# KiCad board hackboard.kicad_pcb
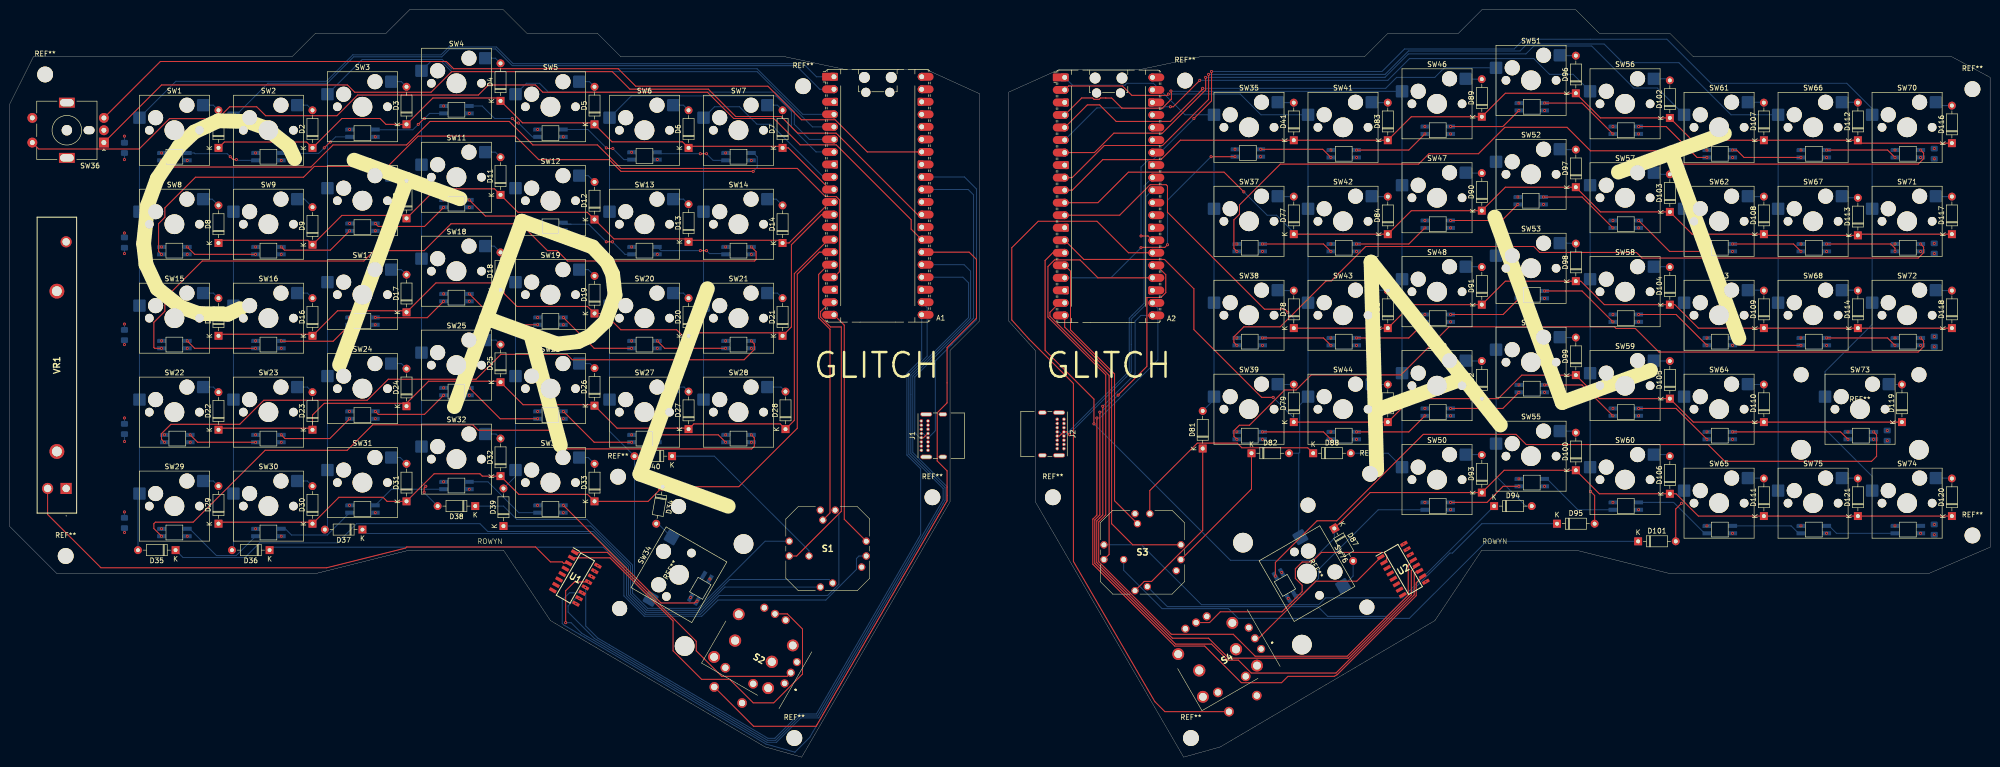
[diagram p0: board, top side]
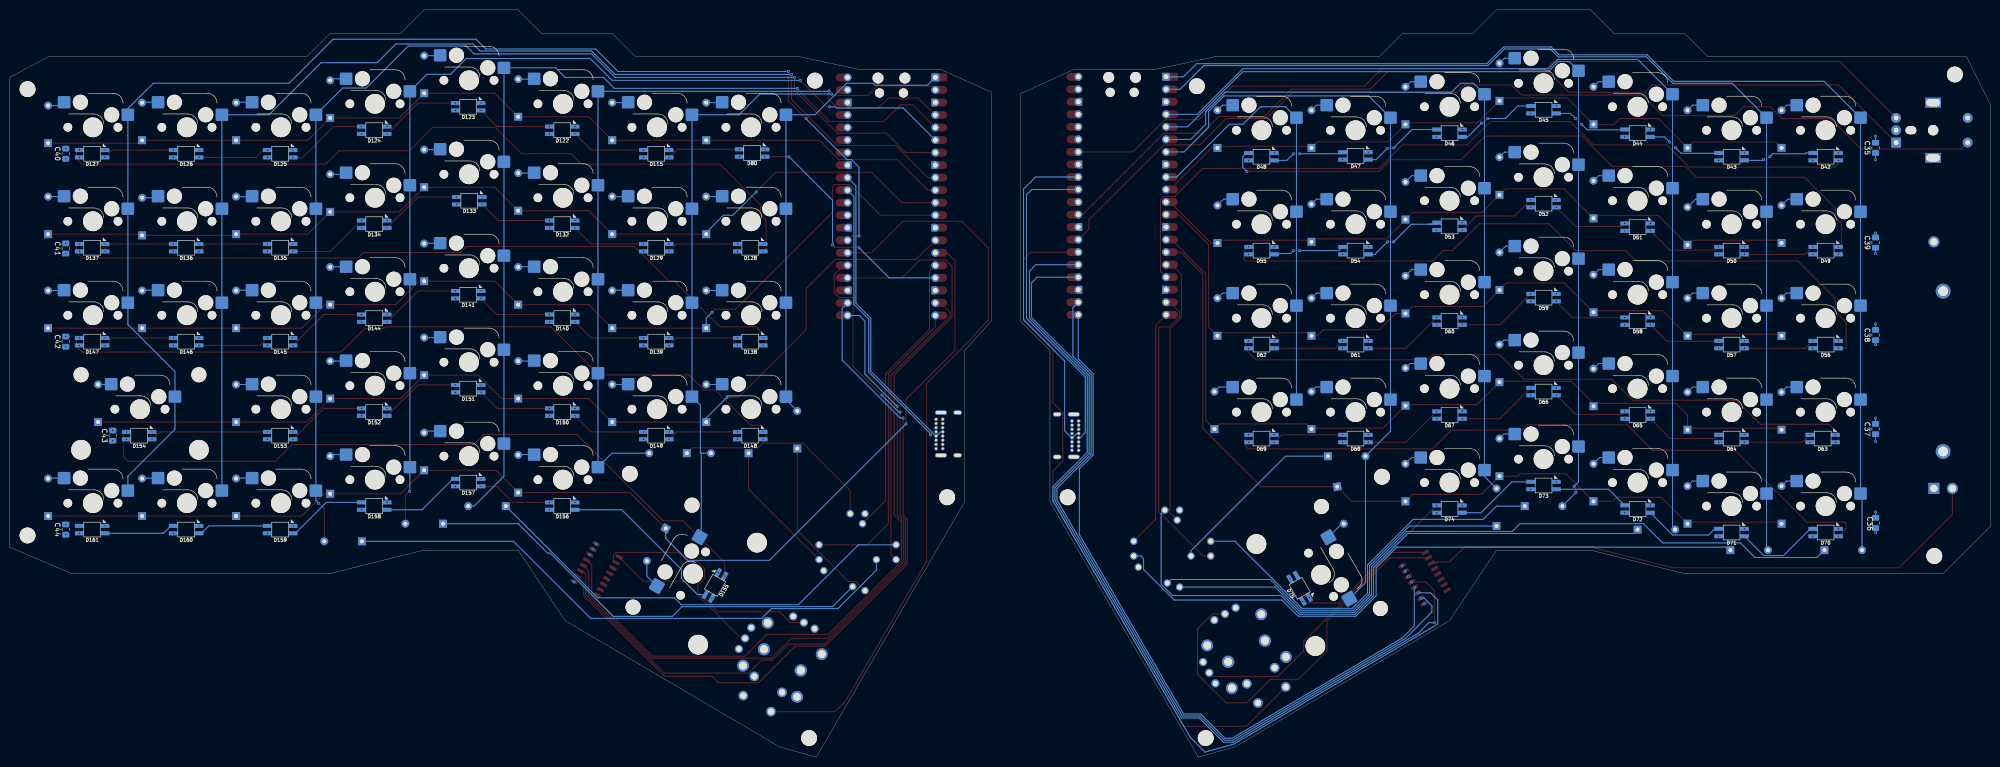
[diagram p1: board, bottom side, seen from below]

Outline 401.25 x 151.51 mm; copper layers: Top, In1.Cu, In2.Cu, Bottom. Coordinates in mm from the lower left corner of the outline.
Outline path: 0,132.46 4.76,141.98 57.15,141.98 61.91,146.74 76.2,146.74 80.96,151.51 100.01,151.51 104.78,146.74 119.06,146.74 123.82,141.98 157.16,141.98 169.38,139.39 185.74,139.39 196.45,134.51 196.45,88.4 190.5,82.45 190.5,51.79 160.44,0 153,2.08 109.54,27.68 100.01,41.97 80.96,41.97 61.91,37.21 9.53,37.21 0,46.73 0,132.46 ; 202.41,134.84 212.53,139.39 228.89,139.39 241.11,141.98 274.45,141.98 279.21,146.74 293.5,146.74 298.26,151.51 317.31,151.51 322.07,146.74 336.36,146.74 341.12,141.98 393.51,141.98 401.24,137.82 401.25,42.57 388.75,37.21 336.36,37.21 317.31,41.97 298.26,41.97 288.73,27.68 245.28,2.08 237.84,0 207.77,51.79 207.77,82.45 202.41,88.4 202.41,134.84
Stack: Top 0.035mm / dielectric 0.1mm FR4 er 4.5 / In1.Cu 0.035mm / dielectric 1.24mm FR4 er 4.5 / In2.Cu 0.035mm / dielectric 0.1mm FR4 er 4.5 / Bottom 0.035mm

## Placement (name value [footprint] x y rotation side)
A1  RaspberryPi_Pico  [RaspberryPi_Pico_Common_Unspecified]  175.87 113.82 0 top
A2  RaspberryPi_Pico  [RaspberryPi_Pico_Common_Unspecified]  222.62 113.69 0 top
C35  C  [C_0805_2012Metric_Pad1.18x1.45mm_HandSolder]  23.22 123.53 90 bottom
C36  C  [C_0805_2012Metric_Pad1.18x1.45mm_HandSolder]  23.22 47.48 90 bottom
C37  C  [C_0805_2012Metric_Pad1.18x1.45mm_HandSolder]  23.22 66.53 90 bottom
C38  C  [C_0805_2012Metric_Pad1.18x1.45mm_HandSolder]  23.22 85.58 90 bottom
C39  C  [C_0805_2012Metric_Pad1.18x1.45mm_HandSolder]  23.22 104.32 90 bottom
C40  C  [C_0805_2012Metric_Pad1.18x1.45mm_HandSolder]  389.93 122.34 90 bottom
C41  C  [C_0805_2012Metric_Pad1.18x1.45mm_HandSolder]  389.93 103.13 90 bottom
C42  C  [C_0805_2012Metric_Pad1.18x1.45mm_HandSolder]  389.93 84.24 90 bottom
C43  C  [C_0805_2012Metric_Pad1.18x1.45mm_HandSolder]  380.41 65.19 90 bottom
C44  C  [C_0805_2012Metric_Pad1.18x1.45mm_HandSolder]  389.93 46.14 90 bottom
D1  D  [D_DO-35_SOD27_P7.62mm_Horizontal]  42.27 123.53 90 top
D2  D  [D_DO-35_SOD27_P7.62mm_Horizontal]  61.32 123.53 90 top
D3  D  [D_DO-35_SOD27_P7.62mm_Horizontal]  80.37 128.29 90 top
D4  D  [D_DO-35_SOD27_P7.62mm_Horizontal]  99.42 133.05 90 top
D5  D  [D_DO-35_SOD27_P7.62mm_Horizontal]  118.47 128.29 90 top
D6  D  [D_DO-35_SOD27_P7.62mm_Horizontal]  137.52 123.53 90 top
D7  D  [D_DO-35_SOD27_P7.62mm_Horizontal]  156.57 123.53 90 top
D8  D  [D_DO-35_SOD27_P7.62mm_Horizontal]  42.27 104.24 90 top
D9  D  [D_DO-35_SOD27_P7.62mm_Horizontal]  61.32 103.88 90 top
D10  D  [D_DO-35_SOD27_P7.62mm_Horizontal]  80.37 109.24 90 top
D11  D  [D_DO-35_SOD27_P7.62mm_Horizontal]  99.42 114 90 top
D12  D  [D_DO-35_SOD27_P7.62mm_Horizontal]  118.47 109 90 top
D13  D  [D_DO-35_SOD27_P7.62mm_Horizontal]  137.52 104.48 90 top
D14  D  [D_DO-35_SOD27_P7.62mm_Horizontal]  156.57 104.24 90 top
D15  D  [D_DO-35_SOD27_P7.62mm_Horizontal]  42.27 85.43 90 top
D16  D  [D_DO-35_SOD27_P7.62mm_Horizontal]  61.32 85.43 90 top
D17  D  [D_DO-35_SOD27_P7.62mm_Horizontal]  80.37 90.19 90 top
D18  D  [D_DO-35_SOD27_P7.62mm_Horizontal]  99.42 94.72 90 top
D19  D  [D_DO-35_SOD27_P7.62mm_Horizontal]  118.47 89.95 90 top
D20  D  [D_DO-35_SOD27_P7.62mm_Horizontal]  137.52 85.43 90 top
D21  D  [D_DO-35_SOD27_P7.62mm_Horizontal]  156.57 85.43 90 top
D22  D  [D_DO-35_SOD27_P7.62mm_Horizontal]  42.27 66.38 90 top
D23  D  [D_DO-35_SOD27_P7.62mm_Horizontal]  61.32 66.38 90 top
D24  D  [D_DO-35_SOD27_P7.62mm_Horizontal]  80.37 71.14 90 top
D25  D  [D_DO-35_SOD27_P7.62mm_Horizontal]  99.42 76.02 90 top
D26  D  [D_DO-35_SOD27_P7.62mm_Horizontal]  118.47 71.26 90 top
D27  D  [D_DO-35_SOD27_P7.62mm_Horizontal]  137.52 66.5 90 top
D28  D  [D_DO-35_SOD27_P7.62mm_Horizontal]  157.16 66.5 90 top
D29  D  [D_DO-35_SOD27_P7.62mm_Horizontal]  42.27 47.33 90 top
D30  D  [D_DO-35_SOD27_P7.62mm_Horizontal]  61.32 47.33 90 top
D31  D  [D_DO-35_SOD27_P7.62mm_Horizontal]  80.37 51.85 90 top
D32  D  [D_DO-35_SOD27_P7.62mm_Horizontal]  99.42 56.97 90 top
D33  D  [D_DO-35_SOD27_P7.62mm_Horizontal]  118.47 51.85 90 top
D34  D  [D_DO-35_SOD27_P7.62mm_Horizontal]  132.29 54.83 260 top
D35  D  [D_DO-35_SOD27_P7.62mm_Horizontal]  33.58 41.97 180 top
D36  D  [D_DO-35_SOD27_P7.62mm_Horizontal]  52.63 41.97 180 top
D37  D  [D_DO-35_SOD27_P7.62mm_Horizontal]  71.44 46.14 180 top
D38  D  [D_DO-35_SOD27_P7.62mm_Horizontal]  94.3 50.9 180 top
D39  D  [D_DO-35_SOD27_P7.62mm_Horizontal]  100.01 46.85 90 top
D40  D  [D_DO-35_SOD27_P7.62mm_Horizontal]  134.18 61.02 180 top
D41  D  [D_DO-35_SOD27_P7.62mm_Horizontal]  260.15 125.08 90 top
D42  SK6812MINI  [SK6812MINI-E]  33.34 121.74 180 bottom
D43  SK6812MINI  [SK6812MINI-E]  52.39 121.74 180 bottom
D44  SK6812MINI  [SK6812MINI-E]  71.44 126.5 180 bottom
D45  SK6812MINI  [SK6812MINI-E]  90.49 131.27 180 bottom
D46  SK6812MINI  [SK6812MINI-E]  109.54 126.5 180 bottom
D47  SK6812MINI  [SK6812MINI-E]  128.59 121.9 180 bottom
D48  SK6812MINI  [SK6812MINI-E]  147.64 121.74 180 bottom
D49  SK6812MINI  [SK6812MINI-E]  33.34 102.69 180 bottom
D50  SK6812MINI  [SK6812MINI-E]  52.39 102.69 180 bottom
D51  SK6812MINI  [SK6812MINI-E]  71.44 107.45 180 bottom
D52  SK6812MINI  [SK6812MINI-E]  90.49 112.22 180 bottom
D53  SK6812MINI  [SK6812MINI-E]  109.54 107.61 180 bottom
D54  SK6812MINI  [SK6812MINI-E]  128.59 102.69 180 bottom
D55  SK6812MINI  [SK6812MINI-E]  147.64 102.69 180 bottom
D56  SK6812MINI  [SK6812MINI-E]  33.34 83.64 180 bottom
D57  SK6812MINI  [SK6812MINI-E]  52.39 83.64 180 bottom
D58  SK6812MINI  [SK6812MINI-E]  71.44 88.4 180 bottom
D59  SK6812MINI  [SK6812MINI-E]  90.49 93.17 180 bottom
D60  SK6812MINI  [SK6812MINI-E]  109.54 88.4 180 bottom
D61  SK6812MINI  [SK6812MINI-E]  128.59 83.64 180 bottom
D62  SK6812MINI  [SK6812MINI-E]  147.64 83.64 180 bottom
D63  SK6812MINI  [SK6812MINI-E]  33.93 64.59 180 bottom
D64  SK6812MINI  [SK6812MINI-E]  52.39 64.59 180 bottom
D65  SK6812MINI  [SK6812MINI-E]  71.44 69.35 180 bottom
D66  SK6812MINI  [SK6812MINI-E]  90.49 74.12 180 bottom
D67  SK6812MINI  [SK6812MINI-E]  109.54 69.35 180 bottom
D68  SK6812MINI  [SK6812MINI-E]  128.59 64.59 180 bottom
D69  SK6812MINI  [SK6812MINI-E]  147.64 64.59 180 bottom
D70  SK6812MINI  [SK6812MINI-E]  33.34 45.54 180 bottom
D71  SK6812MINI  [SK6812MINI-E]  52.39 45.54 180 bottom
D72  SK6812MINI  [SK6812MINI-E]  71.44 50.3 180 bottom
D73  SK6812MINI  [SK6812MINI-E]  90.49 55.07 180 bottom
D74  SK6812MINI  [SK6812MINI-E]  109.54 50.3 180 bottom
D75  SK6812MINI  [SK6812MINI-E]  139.9 34.23 240 bottom
D77  D  [D_DO-35_SOD27_P7.62mm_Horizontal]  260.15 106.03 90 top
D78  D  [D_DO-35_SOD27_P7.62mm_Horizontal]  260.15 86.98 90 top
D79  D  [D_DO-35_SOD27_P7.62mm_Horizontal]  260.15 67.93 90 top
D80  SK6812MINI  [SK6812MINI-E]  250.85 122.49 180 bottom
D81  D  [D_DO-35_SOD27_P7.62mm_Horizontal]  241.7 62.57 90 top
D82  D  [D_DO-35_SOD27_P7.62mm_Horizontal]  251.58 61.62 0 top
D83  D  [D_DO-35_SOD27_P7.62mm_Horizontal]  279.2 125.08 90 top
D84  D  [D_DO-35_SOD27_P7.62mm_Horizontal]  279.2 106.03 90 top
D85  D  [D_DO-35_SOD27_P7.62mm_Horizontal]  279.2 86.98 90 top
D86  D  [D_DO-35_SOD27_P7.62mm_Horizontal]  279.2 67.93 90 top
D87  D  [D_DO-35_SOD27_P7.62mm_Horizontal]  268.37 46.38 300 top
D88  D  [D_DO-35_SOD27_P7.62mm_Horizontal]  264.08 61.62 0 top
D89  D  [D_DO-35_SOD27_P7.62mm_Horizontal]  298.25 129.84 90 top
D90  D  [D_DO-35_SOD27_P7.62mm_Horizontal]  298.25 110.79 90 top
D91  D  [D_DO-35_SOD27_P7.62mm_Horizontal]  298.25 91.74 90 top
D92  D  [D_DO-35_SOD27_P7.62mm_Horizontal]  298.25 72.69 90 top
D93  D  [D_DO-35_SOD27_P7.62mm_Horizontal]  298.25 53.64 90 top
D94  D  [D_DO-35_SOD27_P7.62mm_Horizontal]  300.75 50.9 0 top
D95  D  [D_DO-35_SOD27_P7.62mm_Horizontal]  313.49 47.33 0 top
D96  D  [D_DO-35_SOD27_P7.62mm_Horizontal]  317.3 134.6 90 top
D97  D  [D_DO-35_SOD27_P7.62mm_Horizontal]  317.3 115.55 90 top
D98  D  [D_DO-35_SOD27_P7.62mm_Horizontal]  317.3 96.5 90 top
D99  D  [D_DO-35_SOD27_P7.62mm_Horizontal]  317.3 77.45 90 top
D100  D  [D_DO-35_SOD27_P7.62mm_Horizontal]  317.3 58.16 90 top
D101  D  [D_DO-35_SOD27_P7.62mm_Horizontal]  329.92 43.76 0 top
D102  D  [D_DO-35_SOD27_P7.62mm_Horizontal]  336.35 129.6 90 top
D103  D  [D_DO-35_SOD27_P7.62mm_Horizontal]  336.35 110.55 90 top
D104  D  [D_DO-35_SOD27_P7.62mm_Horizontal]  336.35 91.74 90 top
D105  D  [D_DO-35_SOD27_P7.62mm_Horizontal]  336.35 72.69 90 top
D106  D  [D_DO-35_SOD27_P7.62mm_Horizontal]  336.35 53.4 90 top
D107  D  [D_DO-35_SOD27_P7.62mm_Horizontal]  355.4 125.08 90 top
D108  D  [D_DO-35_SOD27_P7.62mm_Horizontal]  355.4 106.03 90 top
D109  D  [D_DO-35_SOD27_P7.62mm_Horizontal]  355.4 86.98 90 top
D110  D  [D_DO-35_SOD27_P7.62mm_Horizontal]  355.4 67.93 90 top
D111  D  [D_DO-35_SOD27_P7.62mm_Horizontal]  355.4 48.88 90 top
D112  D  [D_DO-35_SOD27_P7.62mm_Horizontal]  374.45 125.08 90 top
D113  D  [D_DO-35_SOD27_P7.62mm_Horizontal]  374.45 105.79 90 top
D114  D  [D_DO-35_SOD27_P7.62mm_Horizontal]  374.45 86.98 90 top
D115  SK6812MINI  [SK6812MINI-E]  270.27 122.34 180 bottom
D116  D  [D_DO-35_SOD27_P7.62mm_Horizontal]  393.5 124.48 90 top
D117  D  [D_DO-35_SOD27_P7.62mm_Horizontal]  393.5 106.03 90 top
D118  D  [D_DO-35_SOD27_P7.62mm_Horizontal]  393.5 86.98 90 top
D119  D  [D_DO-35_SOD27_P7.62mm_Horizontal]  383.38 67.93 90 top
D120  D  [D_DO-35_SOD27_P7.62mm_Horizontal]  393.5 48.88 90 top
D121  D  [D_DO-35_SOD27_P7.62mm_Horizontal]  374.45 48.88 90 top
D122  SK6812MINI  [SK6812MINI-E]  289.32 127.1 180 bottom
D123  SK6812MINI  [SK6812MINI-E]  308.37 131.86 180 bottom
D124  SK6812MINI  [SK6812MINI-E]  327.42 127.1 180 bottom
D125  SK6812MINI  [SK6812MINI-E]  346.47 122.34 180 bottom
D126  SK6812MINI  [SK6812MINI-E]  365.52 122.34 180 bottom
D127  SK6812MINI  [SK6812MINI-E]  384.57 122.34 180 bottom
D128  SK6812MINI  [SK6812MINI-E]  251.22 103.29 180 bottom
D129  SK6812MINI  [SK6812MINI-E]  270.27 103.29 180 bottom
D132  SK6812MINI  [SK6812MINI-E]  289.32 108.05 180 bottom
D133  SK6812MINI  [SK6812MINI-E]  308.15 112.81 180 bottom
D134  SK6812MINI  [SK6812MINI-E]  327.42 108.05 180 bottom
D135  SK6812MINI  [SK6812MINI-E]  346.47 103.29 180 bottom
D136  SK6812MINI  [SK6812MINI-E]  365.52 103.29 180 bottom
D137  SK6812MINI  [SK6812MINI-E]  384.57 103.29 180 bottom
D138  SK6812MINI  [SK6812MINI-E]  251.22 84.24 180 bottom
D139  SK6812MINI  [SK6812MINI-E]  270.27 84.24 180 bottom
D140  SK6812MINI  [SK6812MINI-E]  289.32 89 180 bottom
D141  SK6812MINI  [SK6812MINI-E]  308.37 93.76 180 bottom
D144  SK6812MINI  [SK6812MINI-E]  327.42 89 180 bottom
D145  SK6812MINI  [SK6812MINI-E]  346.47 84.24 180 bottom
D146  SK6812MINI  [SK6812MINI-E]  365.52 84.24 180 bottom
D147  SK6812MINI  [SK6812MINI-E]  384.57 84.24 180 bottom
D148  SK6812MINI  [SK6812MINI-E]  251.22 65.19 180 bottom
D149  SK6812MINI  [SK6812MINI-E]  270.27 65.19 180 bottom
D150  SK6812MINI  [SK6812MINI-E]  289.32 69.95 180 bottom
D151  SK6812MINI  [SK6812MINI-E]  308.37 74.71 180 bottom
D152  SK6812MINI  [SK6812MINI-E]  327.42 69.95 180 bottom
D153  SK6812MINI  [SK6812MINI-E]  346.47 65.19 180 bottom
D154  SK6812MINI  [SK6812MINI-E]  375.05 65.19 180 bottom
D155  SK6812MINI  [SK6812MINI-E#2]  258.37 34.83 120 bottom
D156  SK6812MINI  [SK6812MINI-E]  289.32 50.9 180 bottom
D157  SK6812MINI  [SK6812MINI-E]  308.37 55.66 180 bottom
D158  SK6812MINI  [SK6812MINI-E]  327.42 50.9 180 bottom
D159  SK6812MINI  [SK6812MINI-E]  346.47 46.14 180 bottom
D160  SK6812MINI  [SK6812MINI-E]  365.52 46.14 180 bottom
D161  SK6812MINI  [SK6812MINI-E]  384.57 46.14 180 bottom
J1  USB_C_Receptacle_USB2.0_14P  [USB_C_Receptacle_GCT_USB4085]  184.69 62.21 90 top
J2  USB_C_Receptacle_USB2.0_14P  [USB_C_Receptacle_GCT_USB4085]  213.58 68.5 270 top
REF**  -  [MountingHole_3.2mm_M3]  211.34 52.69 0 top
REF**#2  -  [MountingHole_3.2mm_M3]  160.73 136.03 0 top
REF**#3  -  [MountingHole_3.2mm_M3]  7.14 138.41 0 top
REF**#4  -  [Stabilizer_MX_2.00u]  135.57 36.98 60 top
REF**#5  -  [MountingHole_3.2mm_M3]  158.95 3.87 0 top
REF**#6  -  [MountingHole_3.2mm_M3]  186.93 52.69 0 top
REF**#7  -  [MountingHole_3.2mm_M3]  11.31 40.78 0 top
REF**#8  -  [MountingHole_3.2mm_M3]  275.63 57.45 0 top
REF**#9  -  [Stabilizer_MX_2.00u]  262.95 37.26 300 top
REF**#10  -  [MountingHole_3.2mm_M3]  397.67 135.43 0 top
REF**#11  -  [MountingHole_3.2mm_M3]  397.67 44.95 0 top
REF**#12  -  [Stabilizer_MX_2.00u]  374.89 70.54 0 top
REF**#13  -  [MountingHole_3.2mm_M3]  238.13 137.17 0 top
REF**#14  -  [MountingHole_3.2mm_M3]  239.32 3.87 0 top
REF**#15  -  [MountingHole_3.2mm_M3]  123.23 56.85 0 top
S1  -  [RKJXT1F42001]  165.73 42.28 0 top
S2  -  [RKJXV122400R]  156.98 14.95 330 top
S3  -  [RKJXT1F42001]  229.48 41.55 0 top
S4  RKJXV122400R  [RKJXV122400R#2]  253.53 21.93 30 top
SW1  SW_Push  [Hotswap_MX_1.00u]  33.34 127.1 0 top
SW2  SW_Push  [Hotswap_MX_1.00u]  52.39 127.1 0 top
SW3  SW_Push  [Hotswap_MX_1.00u]  71.44 131.86 0 top
SW4  SW_Push  [Hotswap_MX_1.00u]  90.49 136.63 0 top
SW5  SW_Push  [Hotswap_MX_1.00u]  109.54 131.86 0 top
SW6  SW_Push  [Hotswap_MX_1.00u]  128.59 127.1 0 top
SW7  SW_Push  [Hotswap_MX_1.00u]  147.64 127.1 0 top
SW8  SW_Push  [Hotswap_MX_1.00u]  33.34 108.05 0 top
SW9  SW_Push  [Hotswap_MX_1.00u]  52.39 108.05 0 top
SW10  SW_Push  [Hotswap_MX_1.00u]  71.44 112.81 0 top
SW11  SW_Push  [Hotswap_MX_1.00u]  90.49 117.58 0 top
SW12  SW_Push  [Hotswap_MX_1.00u]  109.54 112.81 0 top
SW13  SW_Push  [Hotswap_MX_1.00u]  128.59 108.05 0 top
SW14  SW_Push  [Hotswap_MX_1.00u]  147.64 108.05 0 top
SW15  SW_Push  [Hotswap_MX_1.00u]  33.34 89 0 top
SW16  SW_Push  [Hotswap_MX_1.00u]  52.39 89 0 top
SW17  SW_Push  [Hotswap_MX_1.00u]  71.44 93.76 0 top
SW18  SW_Push  [Hotswap_MX_1.00u]  90.49 98.53 0 top
SW19  SW_Push  [Hotswap_MX_1.00u]  109.54 93.76 0 top
SW20  SW_Push  [Hotswap_MX_1.00u]  128.59 89 0 top
SW21  SW_Push  [Hotswap_MX_1.00u]  147.64 89 0 top
SW22  SW_Push  [Hotswap_MX_1.00u]  33.34 69.95 0 top
SW23  SW_Push  [Hotswap_MX_1.00u]  52.39 69.95 0 top
SW24  SW_Push  [Hotswap_MX_1.00u]  71.44 74.71 0 top
SW25  SW_Push  [Hotswap_MX_1.00u]  90.49 79.48 0 top
SW26  SW_Push  [Hotswap_MX_1.00u]  109.54 74.71 0 top
SW27  SW_Push  [Hotswap_MX_1.00u]  128.59 69.95 0 top
SW28  SW_Push  [Hotswap_MX_1.00u]  147.64 69.95 0 top
SW29  SW_Push  [Hotswap_MX_1.00u]  33.34 50.9 0 top
SW30  SW_Push  [Hotswap_MX_1.00u]  52.39 50.9 0 top
SW31  SW_Push  [Hotswap_MX_1.00u]  71.44 55.66 0 top
SW32  SW_Push  [Hotswap_MX_1.00u]  90.49 60.43 0 top
SW33  SW_Push  [Hotswap_MX_1.00u]  109.54 55.66 0 top
SW34  SPACE  [Hotswap_MX_2.00u]  135.57 36.98 60 top
SW35  SW_Push  [Hotswap_MX_1.00u]  251.08 127.69 0 top
SW36  RotaryEncoder_Switch  [RotaryEncoder_Alps_EC11E-Switch_Vertical_H20mm_MountingHoles]  19.05 124.6 180 top
SW37  SW_Push  [Hotswap_MX_1.00u]  251.08 108.64 0 top
SW38  SW_Push  [Hotswap_MX_1.00u]  251.08 89.59 0 top
SW39  SW_Push  [Hotswap_MX_1.00u]  251.08 70.54 0 top
SW41  SW_Push  [Hotswap_MX_1.00u]  270.13 127.69 0 top
SW42  SW_Push  [Hotswap_MX_1.00u]  270.13 108.64 0 top
SW43  SW_Push  [Hotswap_MX_1.00u]  270.13 89.59 0 top
SW44  SW_Push  [Hotswap_MX_1.00u]  270.13 70.54 0 top
SW46  SW_Push  [Hotswap_MX_1.00u]  289.18 132.46 0 top
SW47  SW_Push  [Hotswap_MX_1.00u]  289.18 113.41 0 top
SW48  SW_Push  [Hotswap_MX_1.00u]  289.18 94.36 0 top
SW49  SW_Push  [Hotswap_MX_1.00u]  289.18 75.31 0 top
SW50  SW_Push  [Hotswap_MX_1.00u]  289.18 56.26 0 top
SW51  SW_Push  [Hotswap_MX_1.00u]  308.23 137.22 0 top
SW52  SW_Push  [Hotswap_MX_1.00u]  308.23 118.17 0 top
SW53  SW_Push  [Hotswap_MX_1.00u]  308.23 99.12 0 top
SW54  SW_Push  [Hotswap_MX_1.00u]  308.23 80.07 0 top
SW55  SW_Push  [Hotswap_MX_1.00u]  308.23 61.02 0 top
SW56  SW_Push  [Hotswap_MX_1.00u]  327.28 132.46 0 top
SW57  SW_Push  [Hotswap_MX_1.00u]  327.28 113.41 0 top
SW58  SW_Push  [Hotswap_MX_1.00u]  327.28 94.36 0 top
SW59  SW_Push  [Hotswap_MX_1.00u]  327.28 75.31 0 top
SW60  SW_Push  [Hotswap_MX_1.00u]  327.28 56.26 0 top
SW61  SW_Push  [Hotswap_MX_1.00u]  346.33 127.69 0 top
SW62  SW_Push  [Hotswap_MX_1.00u]  346.33 108.64 0 top
SW63  SW_Push  [Hotswap_MX_1.00u]  346.33 89.59 0 top
SW64  SW_Push  [Hotswap_MX_1.00u]  346.33 70.54 0 top
SW65  SW_Push  [Hotswap_MX_2.00u]  346.33 51.49 0 top
SW66  SW_Push  [Hotswap_MX_1.00u]  365.38 127.69 0 top
SW67  SW_Push  [Hotswap_MX_1.00u]  365.38 108.64 0 top
SW68  SW_Push  [Hotswap_MX_1.00u]  365.38 89.59 0 top
SW70  SW_Push  [Hotswap_MX_1.00u]  384.43 127.69 0 top
SW71  SW_Push  [Hotswap_MX_1.00u]  384.43 108.64 0 top
SW72  SW_Push  [Hotswap_MX_1.00u]  384.43 89.59 0 top
SW73  SHIFT  [Hotswap_MX_1.00u]  374.89 70.54 0 top
SW74  SW_Push  [Hotswap_MX_1.00u]  384.43 51.49 0 top
SW75  SW_Push  [Hotswap_MX_1.00u]  365.38 51.49 0 top
SW76  SPACE  [Hotswap_MX_1.00u]  262.82 37.21 300 top
U1  MCP3008  [SOIC127P600X175-16N]  114.58 36.31 330 top
U2  MCP3008  [SOIC127P600X175-16N]  282.35 38.05 30 top
VR1  -  [RS45111A900F]  11.4 54.48 90 top

## Library data of the parts
A1 A2 = -: Datasheet: https://datasheets.raspberrypi.com/pico/pico-datasheet.pdf; Description: Versatile and inexpensive microcontroller module powered by RP2040 dual-core Arm Cortex-M0+ processor up to 133 MHz, 264kB SRAM, 2MB QSPI flash; also supports Raspberry Pi Pico 2; ki_fp_filters: RaspberryPi?Pico?Common* RaspberryPi?Pico?SMD*
C35-C44 = -: Description: Unpolarized capacitor; ki_fp_filters: C_*
D1-D41 D77-D79 D81-D114 D116-D121 = -: Description: Diode; Sim.Pins: 1=K 2=A; ki_fp_filters: TO-???* *_Diode_* *SingleDiode* D_*
D42-D75 D80 D115 D122-D129 D132-D141 D144-D161 = -: Datasheet: https://cdn-shop.adafruit.com/product-files/2686/SK6812MINI_REV.01-1-2.pdf; Description: RGB LED with integrated controller; ki_fp_filters: LED*SK6812MINI*PLCC*3.5x3.5mm*P1.75mm*
J1 J2 = -: Datasheet: https://www.usb.org/sites/default/files/documents/usb_type-c.zip; Description: USB 2.0-only 14P Type-C Receptacle connector; ki_fp_filters: USB*C*Receptacle*
S1 S3 = -: Datasheet: http://www.alps.com/prod/info/E/HTML/MultiControl/Switch/RKJXT/RKJXT1F42001.html; Description: Multi-Directional Switches 4 drectnl swtch cntr push w/ an encoder; Height: 17; Manufacturer_Name: ALPS Electric; Mouser Part Number: 688-RKJXT1F42001; Mouser Price/Stock: https://www.mouser.co.uk/ProductDetail/Alps-Alpine/RKJXT1F42001?qs=6EGMNY9ZYDTsBzSTrhiL0w%3D%3D
S2 S4 = -: Datasheet: https://tech.alpsalpine.com/prod/e/html/multicontrol/potentiometer/rkjxk/rkjxv122400r.html; Description: Multi Control Devices Potentiometer Type ThumbPointer (Stick Controller) RKJXV Series; Height: 18.95; Manufacturer_Name: ALPS Electric; Mouser Part Number: 688-RKJXV122400R; Mouser Price/Stock: https://www.mouser.co.uk/ProductDetail/Alps-Alpine/RKJXV122400R?qs=GedFDFLaBXEbB%252ByoOVwLBg%3D%3D
SW34 SW65 = -: Description: Push button switch, generic, two pins
SW36 = -: Description: Rotary encoder, dual channel, incremental quadrate outputs, with switch; ki_fp_filters: RotaryEncoder*Switch*
U1 U2 = -: Datasheet: http://ww1.microchip.com/downloads/en/DeviceDoc/21295d.pdf; Description: A/D Converter, 10-Bit, 8-Channel, SPI Interface , 2.7V-5.5V; ki_fp_filters: DIP*W7.62mm* SOIC*3.9x9.9mm*P1.27mm*
VR1 = -: Datasheet: https://tech.alpsalpine.com/e/products/detail/RS45111A900F/#ancFig1; Description: Res POT 10K Ohm 20% (60 X 8 X 17mm) Pin Thru-Hole; Height: 17.5; Manufacturer_Name: ALPS Electric; Mouser Part Number: 688-RS45111A900F; Mouser Price/Stock: https://www.mouser.co.uk/ProductDetail/Alps-Alpine/RS45111A900F?qs=m0BA540hBPfJpPKCy7qRCQ%3D%3D
